# Altium PCB 1166V30.PcbDoc (part 2 of 6) (continued)
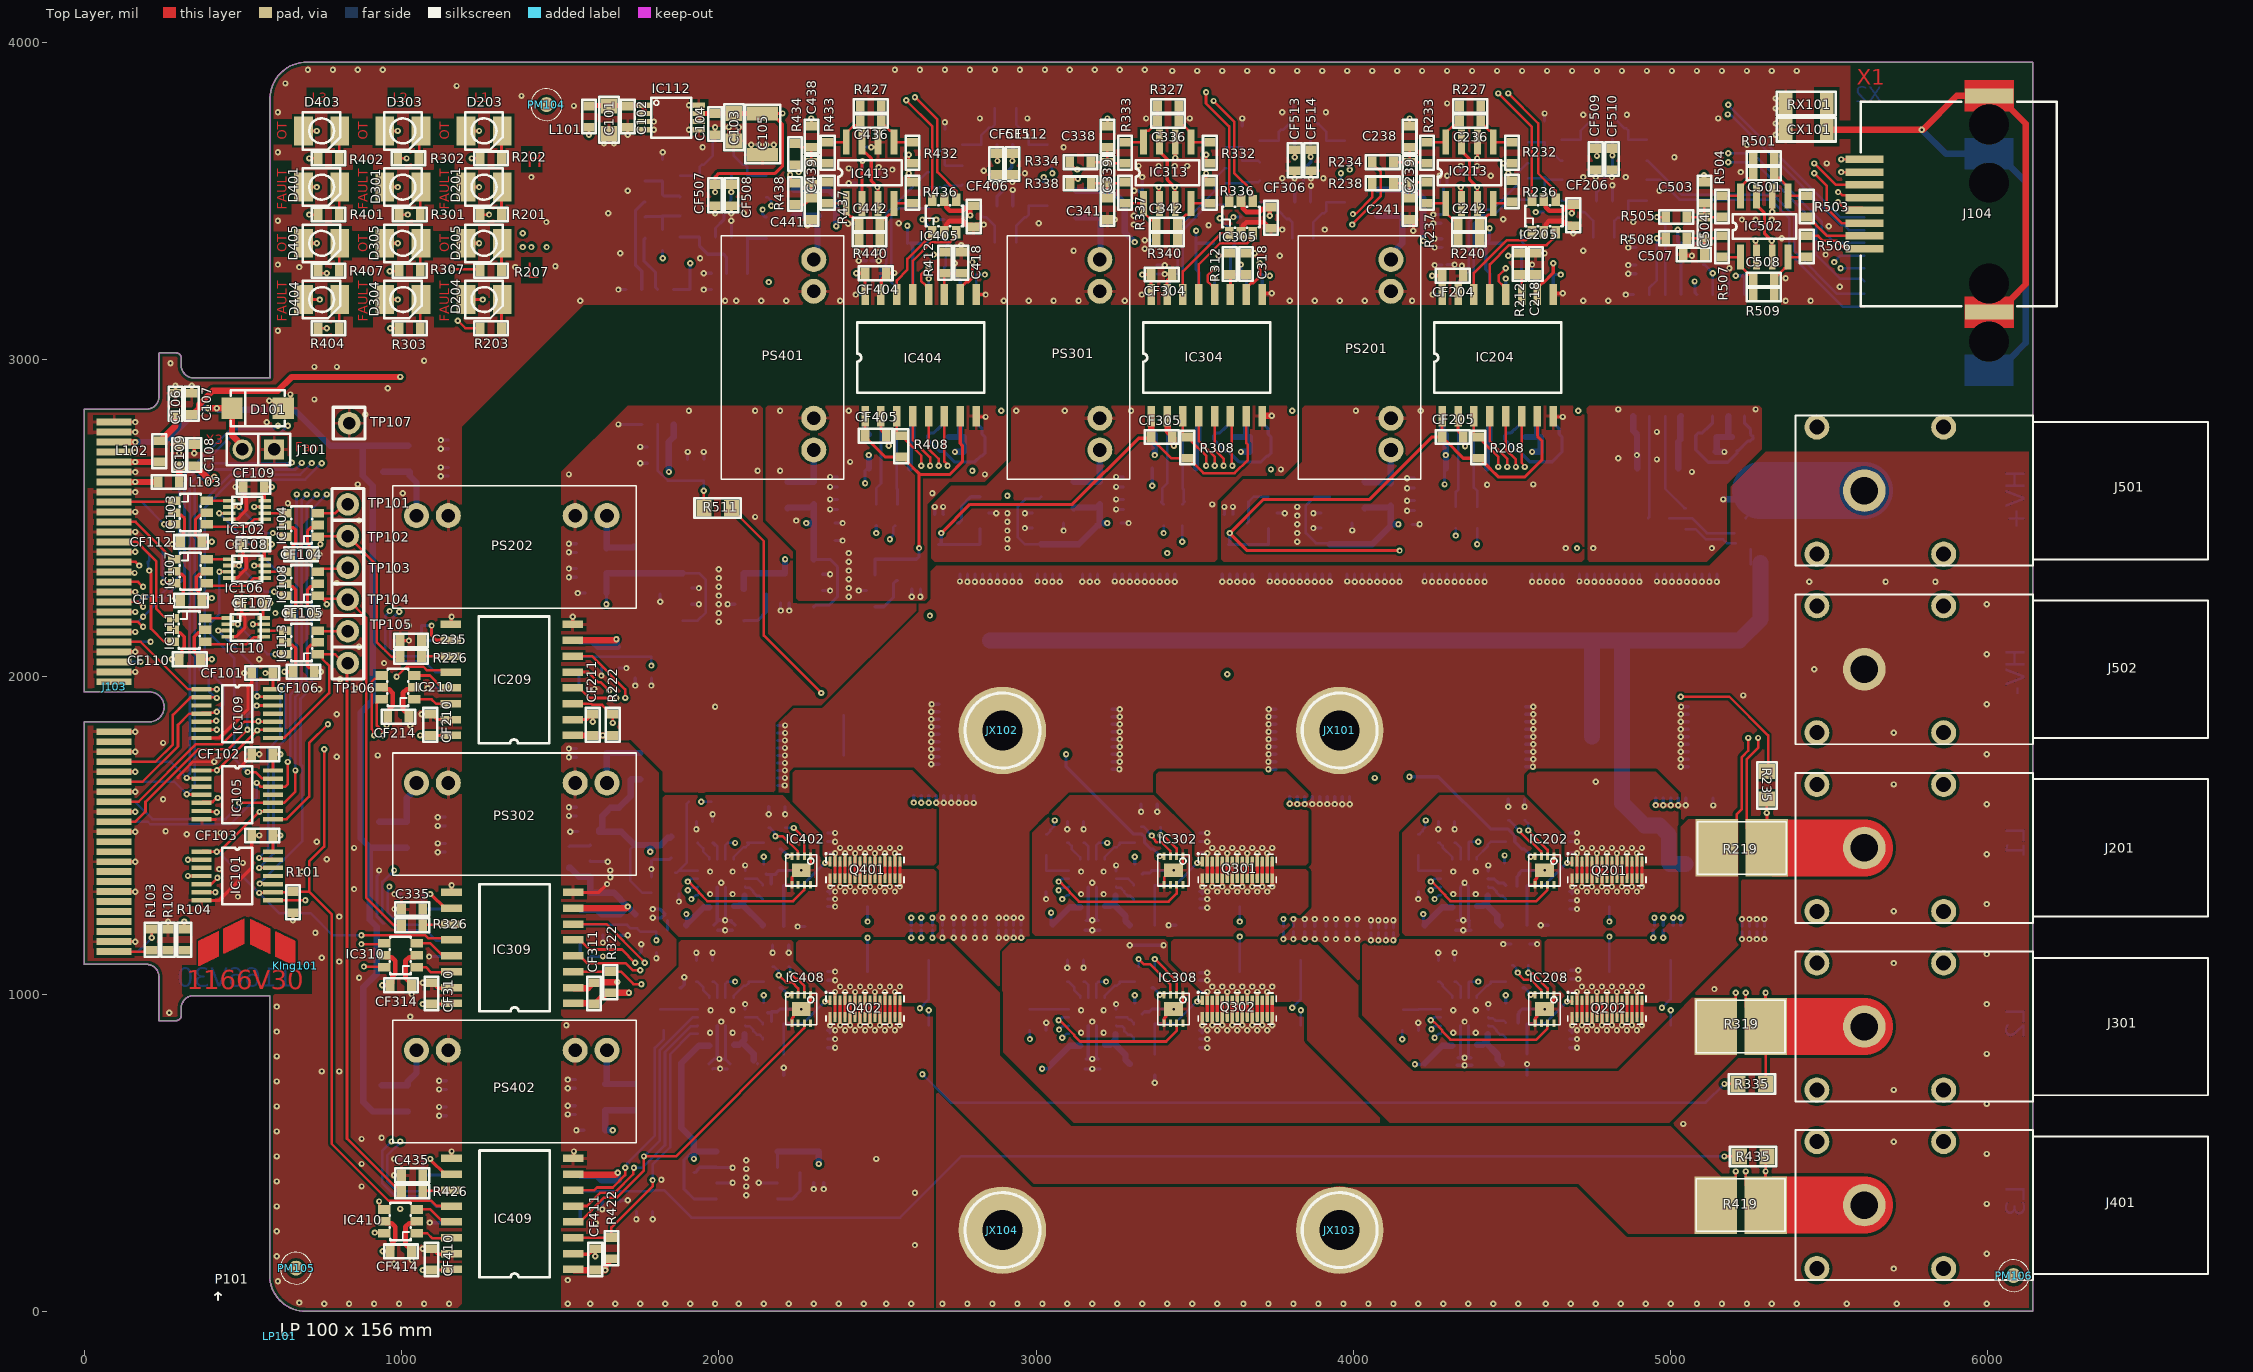
[diagram p0: Top Layer view]
## Nets (pads, with @x,y where several pads share a name; then routed paths per layer and width w, separated by ;. In a path a pad name is that pad's centre, name@x,y a point inside that pad or via, vN(x,y) a via of type N, cw(c..) or ccw(c..) an arc to the next point about the centre after c; other vN are vias at no path point) (continued)
  Layer 3 w10: v1(1716.54,1003.94) 1817.61,902.86 1817.61,743.27 1936.59,624.3 2920.38,624.3 3164.57,868.49 3164.57,892.89 3154.32,903.14 3154.32,929.11 3177.17,951.95 3177.17,1062.99 3196.85,1082.68 3305.04,1082.68 v1(3389.76,997.95)
  Layer 4 w20: v1(1712.6,1275.59) 1685.04,1248.03 1685.04,1122.05 1707.63,1099.45 1707.63,1012.84 v1(1716.54,1003.94)
  Bottom Layer w10: C331.1@3366.14,1019.68 3370.08,1019.68 3389.76,1000 v1(3389.76,997.95)
  Bottom Layer w20: C330.1@1527.56,1397.64 1531.5,1397.64 1559.41,1369.72 1593.66,1369.72 IC307.2@1594.49,1368.9 IC307.1@1594.49,1318.9 1669.29,1318.9 v1(1712.6,1275.59) ; IC312.1@1562.99,1267.72 1564.8,1265.91 1615.98,1265.91 1629.92,1251.97 CF317.1@1633.86,1251.97 CF318.1@1685.04,1251.97 1688.98,1251.97 v1(1712.6,1275.59) ; CF308.1@1736.22,1251.97 v1(1712.6,1275.59)
3P12V: C328.1 C329.1 C332.2 CF307.1 IC307.5 IC307.8 IC311.16 L304.2 | length 2966.6
  Layer 3 w10: v1(1783.46,1448.82) 1685.04,1350.39 1685.04,1067.74 1739.38,1013.4 1739.38,1006.55 1835.61,910.31 1835.61,750.73 1944.05,642.3 2896.6,642.3 v1(3018.88,764.58)
  Bottom Layer w8: 1735,1469.72 1720.47,1455.2 1720.47,1357.28 1758.86,1318.9 IC307.8@1787.4,1318.9
  Bottom Layer w10: v1(3018.88,764.58) 3040.17,764.58 C332.2@3055.12,779.53
  Bottom Layer w20: L304.2@1751.97,1677.17 1724.41,1677.17 1722.6,1675.35 1722.6,1624.17 1685.04,1586.61 1657.48,1586.61 CF307.1@1645.67,1574.8 1632.05,1561.18 1632.05,1525.75 1622.05,1515.75 C328.1@1622.05,1511.81 1692.91,1511.81 1735,1469.72 1786.57,1469.72 IC307.5@1787.4,1468.9 ; v1(1783.46,1448.82) 1783.46,1468.07 1784.29,1468.9 IC307.5@1787.4,1468.9 ; C329.1@1850.39,1496.06 1846.61,1492.28 1839.33,1492.28 1815.94,1468.9 IC307.5@1787.4,1468.9 ; C332.2@3051.18,781.5 3106.46,836.77 IC311.16@3138.78,836.77
3V3: C108.2 C109.2 C213.1 C214.1 C238.2 C313.1 C314.1 C338.2 C413.1 C414.1 C438.2 C503.2 C505.1 C506.1 C516.2 C529.2 C534.2 C539.2 CF101.2 CF102.2 CF103.2 CF104.1 CF105.1 CF106.1 CF107.1 CF108.1 CF109.1 CF110.1 CF111.1 CF112.1 CF204.1 CF206.1 CF210.1 CF214.1 CF215.1 CF216.1 CF304.1 CF306.1 CF310.1 CF314.1 CF315.1 CF316.1 CF404.1 CF406.1 CF410.1 CF414.1 CF415.1 CF416.1 CF503.1 CF504.1 D201.1 D203.1 D204.1 D205.1 D301.1 D303.1 D304.1 D305.1 D401.1 D403.1 D404.1 D405.1 IC101.14 IC102.8 IC103.5 IC104.5 IC105.14 IC106.8 IC107.5 IC108.5 IC109.14 IC110.8 IC111.5 IC113.5 IC203.12 IC204.10 IC204.16 IC205.5 IC209.10 IC209.16 IC210.5 IC212.8 IC303.12 IC304.10 IC304.16 IC305.5 IC309.10 IC309.16 IC310.5 IC312.8 IC403.12 IC404.10 IC404.16 IC405.5 IC409.10 IC409.16 IC410.5 IC412.8 IC501.12 IC503.8 L101.1 L103.2 R104.1 R204.2 R304.2 R403.2 R502.2 | length 5992.2
  Top Layer w10: R104.1@314.96,1204.72 v1(314.96,1228.35) ; CF110.1@366.14,2059.06 346.46,2078.74 346.46,2126.35 359.14,2139.04 373.03,2139.04 IC111.5@381.53,2147.54 ; CF111.1@370.08,2240.16 361.3,2248.94 361.3,2267.86 352.96,2276.19 352.96,2313.96 363.08,2324.08 376.96,2324.08 IC107.5@385.46,2332.58 ; CF110.1@374.02,2055.12 v1(401.57,2055.12) ; CF112.1@374.02,2425.2 350.39,2448.82 350.39,2496.43 363.08,2509.12 376.96,2509.12 IC103.5@385.46,2517.62 ; CF111.1@377.95,2248.03 v1(401.57,2248.03) ; CF112.1@381.89,2425.2 v1(401.57,2425.2) ; IC110.8@564.96,2185.04 563.9,2185.04 562.99,2185.94 CF107.1@562.99,2232.28 v1(586.61,2232.28) ; IC106.8@568.9,2370.08 567.83,2370.08 566.93,2370.98 CF108.1@566.93,2417.32 v1(590.55,2417.32) ; IC102.8@568.9,2555.12 567.83,2555.12 566.93,2556.02 CF109.1@566.93,2598.43 v1(590.55,2598.43) ; v1(570.87,2011.81) CF101.2@594.49,2011.81 IC109.14@594.49,1960.63 ; IC101.14@594.49,1448.82 CF103.2@594.49,1500 v1(618.11,1500) ; IC105.14@594.49,1704.72 CF102.2@594.49,1755.91 v1(618.11,1755.91) ; v1(625.98,2385.83) CF104.1@649.61,2385.83 658.39,2394.61 658.39,2413.89 666.36,2421.86 666.36,2462.89 659.5,2469.75 642.36,2469.75 IC104.5@633.86,2478.25 ; v1(630.05,2200.79) CF105.1@653.54,2200.79 662.32,2209.57 662.32,2221.38 666.36,2225.41 666.36,2274.59 656.24,2284.71 642.36,2284.71 IC108.5@633.86,2293.21 ; v1(630.94,2015.75) CF106.1@657.48,2015.75 665.35,2023.62 665.35,2039.37 666.36,2040.37 666.36,2089.55 656.24,2099.67 642.36,2099.67 IC113.5@633.86,2108.17 ; D404.1@690.94,3188.98 v1@734.44,3188.98 ; D405.1@690.94,3366.14 v1(732.28,3366.14) ; D401.1@690.94,3543.31 v1(732.28,3543.31) ; D403.1@690.94,3720.47 v1(732.28,3720.47) ; D304.1@946.85,3188.98 v1(988.19,3188.98) ; D305.1@946.85,3366.14 v1(988.19,3366.14) ; D301.1@946.85,3543.31 v1(988.19,3543.31) ; D303.1@946.85,3720.47 v1(988.19,3720.47) ; v1(1059.06,1814.96) CF210.1@1090.55,1814.96 IC209.16@1155.51,1814.96 ; v1(1066.93,129.92) CF410.1@1094.49,129.92 IC409.16@1159.45,129.92 ; v1(1066.93,968.5) CF310.1@1094.49,968.5 IC309.16@1159.45,968.5 ; v1(1090.55,480.31) 1090.55,478.15 1138.78,429.92 IC409.10@1159.45,429.92 ; v1(1090.55,1314.96) 1092.32,1314.96 1138.78,1268.5 IC309.10@1159.45,1268.5 ; v1(1094.49,2161.42) 1094.49,2129.92 1109.45,2114.96 IC209.10@1155.51,2114.96 ; D204.1@1202.76,3188.98 v1(1255.91,3188.98) ; D205.1@1202.76,3366.14 v1(1244.09,3366.14) ; D201.1@1202.76,3543.31 v1(1244.09,3543.31) ; D203.1@1202.76,3720.47 v1(1244.09,3720.47) ; v1(1590.55,3708.66) L101.1@1590.55,3732.28 ; v1(2291.34,3759.84) 2291.73,3759.45 C438.2@2291.73,3736.22 ; v1(2432.95,3271.65) CF404.1@2460.63,3271.65 2460.83,3271.46 2460.83,3204.92 IC404.16@2461.02,3204.72 ; IC404.10@2761.02,3204.72 2761.02,3225.39 2780.5,3244.87 2786.88,3244.87 2799.21,3257.21 v1(2799.21,3307.09) ; C338.2@3224.8,3736.22 v1(3224.8,3759.84) ; v1(3334.52,3267.72) CF304.1@3362.2,3267.72 3362.4,3267.52 3362.4,3204.92 IC304.16@3362.6,3204.72 ; IC304.10@3662.6,3204.72 3662.6,3225.39 3678.14,3240.94 3684.52,3240.94 3704.72,3261.14 v1(3704.72,3303.28) ; C238.2@4177.17,3736.22 v1(4177.17,3759.84) ; v1(4247.91,3263.78) CF204.1@4279.53,3263.78 4279.72,3263.58 4279.72,3204.92 IC204.16@4279.92,3204.72 ; IC204.10@4579.92,3204.72 4579.92,3225.39 4595.46,3240.94 4597.9,3240.94 4629.92,3272.95 v1(4629.92,3303.28) ; v1(5022.1,3408.79) v1@5022.1,3410.97 ; v1(5104.63,3581.01) 5104.63,3560.72 C503.2@5106.3,3559.06
  Top Layer w15: IC210.5@937.37,1966.44 943.37,1960.44 960.79,1960.44 972.44,1948.79 972.44,1909.09 962.97,1899.62 962.97,1880.3 CF214.1@956.69,1874.02 ; v1(939.42,1027.56) CF314.1@964.57,1027.56 970.85,1033.84 970.85,1055.23 980.31,1064.7 980.31,1104.4 968.66,1116.05 951.24,1116.05 IC310.5@945.24,1122.05 ; v1(940.94,188.98) CF414.1@964.57,188.98 970.85,195.26 970.85,216.65 980.31,226.12 980.31,265.81 968.66,277.46 951.24,277.46 IC410.5@945.24,283.46 ; v1(952.76,1846.46) CF214.1@952.76,1874.02 ; IC405.5@2710.53,3503.57 2716.53,3497.57 2716.53,3480.15 2728.18,3468.5 2767.88,3468.5 2777.35,3477.97 CF406.1@2792.93,3477.97 ; v1(2792.46,3454.07) 2791.57,3454.97 2791.57,3456.47 2791.34,3456.69 2791.34,3472.44 2792.93,3474.04 CF406.1@2792.93,3477.97 ; CF406.1@2803.15,3484.25 2799.21,3484.25 CF406.1@2792.93,3477.97 ; IC305.5@3645.67,3499.64 3651.67,3493.64 3651.67,3476.22 3663.25,3464.64 3703.09,3464.64 3712.49,3474.04 3733.88,3474.04 CF306.1@3736.22,3476.38 ; v1(3736.22,3452.83) CF306.1@3736.22,3476.38 ; CF306.1@3740.16,3480.31 CF306.1@3736.22,3476.38 ; IC205.5@4600.3,3503.57 4606.3,3497.57 4606.3,3480.15 4617.88,3468.57 4657.72,3468.57 4668.04,3478.9 4692.91,3478.9 4690.3,3476.29 4690.3,3464.33 4687.87,3461.9 v1(4687.87,3460.63)
  Top Layer w20: L103.2@299.21,2614.17 C109.2@299.21,2665.35 C108.2@346.46,2665.35 350.39,2665.35 389.76,2625.98 ; v1@397.64,2618.11 v1(409.45,2629.92)
  Bottom Layer w10: v1(1090.55,480.31) CF215.1@1066.93,480.31 CF216.1@1066.93,429.13 IC412.8@1137.8,429.13 ; v1(1090.55,1314.96) CF315.1@1066.93,1314.96 CF316.1@1066.93,1263.78 1070.87,1267.72 IC312.8@1137.8,1267.72 ; v1(1094.49,2161.42) CF415.1@1062.99,2161.42 CF416.1@1062.99,2114.17 IC212.8@1133.86,2114.17 ; v1(1822.83,3318.9) C516.2@1822.83,3342.52 ; IC503.8@1857.09,3220.47 CF504.1@1909.45,3220.47 CF503.1@1909.45,3271.65 v1(1909.45,3303.15) ; C413.1@2594.49,3366.14 v1(2594.49,3421.26) ; IC403.12@2611.02,3204.72 2611.02,3357.48 C413.1@2602.36,3366.14 R403.2@2657.48,3366.14 ; v1(2685.32,3440.94) C534.2@2708.66,3440.94 ; v1@3503.94,3409.45 C313.1@3503.94,3366.14 ; IC303.12@3512.6,3204.72 3512.6,3274.8 C314.1@3503.94,3283.46 C313.1@3503.94,3366.14 ; R304.2@3559.06,3366.14 C313.1@3503.94,3366.14 ; v1(3622.05,3448.82) C539.2@3645.67,3448.82 ; v1(4429.26,3413.39) 4429.26,3378.08 C213.1@4417.32,3366.14 ; IC203.12@4429.92,3204.72 4429.92,3270.87 C214.1@4417.32,3283.46 C213.1@4417.32,3366.14 ; R204.2@4472.44,3366.14 C213.1@4417.32,3366.14 ; v1(4574.8,3464.57) C529.2@4598.43,3464.57 ; v1(5022.1,3408.79) 5022.1,3371.6 C505.1@5027.56,3366.14 ; IC501.12@5032.28,3204.72 5032.28,3361.42 C505.1@5027.56,3366.14 ; R502.2@5102.36,3366.14 C505.1@5027.56,3366.14
  other v1: 393.7,2614.17 741.94,3188.98 3503.94,3405.51
4P5V: C310.1 C311.1 CF302.1 CF305.2 IC301.1 IC301.2 IC302.4 IC304.1 IC304.7 R308.1 | length 3055.3
  Top Layer w8: CF305.2@3362.2,2755.91 3362.2,2751.97 3425.2,2688.98 R308.1@3476.38,2688.98 3480.32,2688.98 3527.56,2641.73 3625.88,2641.73 3667.51,2683.36 3667.51,2731.21 3662.6,2736.12 IC304.7@3662.6,2820.87
  Top Layer w10: v1(2700.79,2452.76) 2791.34,2543.31 3114.17,2543.31 3322.83,2751.97 CF305.2@3362.2,2751.97
  Top Layer w20: CF305.2@3362.2,2755.91 3362.4,2756.1 3362.4,2820.67 IC304.1@3362.6,2820.87
  Layer 3 w10: v1(2700.79,2452.76) 2795.28,2452.76 2866.14,2381.89 3027.56,2381.89 3100.11,2309.34 3100.11,1771.65 3096.34,1767.88 3096.34,1757.76 v1(3094.49,1755.91)
  Bottom Layer w10: CF302.1@2692.91,2417.32 CF302.1@2700.79,2417.32 ; v1(2700.79,2452.76) CF302.1@2700.79,2417.32 ; IC301.2@2822.83,2467.32 IC301.1@2822.83,2417.32 C310.1@2751.97,2417.32 CF302.1@2700.79,2417.32 ; v1(3094.49,1755.91) 3094.49,1716.54 3307.09,1503.94 3333.35,1503.94 3341.74,1495.54 3341.74,1477.16 3362.2,1456.69 C311.1@3366.14,1456.69 3370.08,1456.69 3389.76,1437.01 v1(3389.76,1434.96)
4P12V: C308.1 C309.1 C315.2 CF301.1 IC301.5 IC301.8 IC306.16 L302.2 | length 2171
  Layer 3 w10: v1(3047.24,1255.91) 3028.3,1274.85 3020.42,1274.85 2972.44,1322.83 2972.44,1601.55 3118.11,1747.22 3118.11,2377.95 v1(3224.41,2484.25)
  Bottom Layer w8: IC301.8@3015.75,2417.32 2964.57,2417.32 2942.72,2439.17 2942.72,2537.21 2966.01,2560.5 3008.92,2560.5 IC301.5@3015.75,2567.32
  Bottom Layer w10: v1(3047.24,1255.91) 3047.24,1224.41 3052.17,1219.49 C315.2@3055.12,1216.54
  Bottom Layer w20: IC301.8@3015.75,2417.32 C309.1@3086.61,2417.32 3133.86,2417.32 3193.07,2476.54 3197.01,2476.54 3200.79,2480.31 C308.1@3200.79,2484.25 ; C315.2@3052.17,1219.49 3106.46,1273.78 IC306.16@3138.78,1273.78 ; L302.2@3118.11,2531.5 3119.92,2533.31 3190.79,2533.31 CF301.1@3200.79,2543.31 C308.1@3200.79,2484.25 ; v1(3224.41,2484.25) C308.1@3200.79,2484.25
5P5V: C430.1 C431.1 CF408.1 CF411.2 CF417.1 CF418.1 IC407.1 IC407.2 IC408.4 IC409.1 IC409.7 IC412.1 R422.1 | length 2291.1
  Top Layer w10: v1(2216.54,997.95) 2230.24,997.95 IC408.4@2230.32,998.03 IC408.4@2230.32,999.92
  Top Layer w20: IC409.1@1543.31,129.92 CF411.2@1610.24,129.92 v1(1641.73,129.92) 1641.73,145.67 1653.7,157.64 1653.7,161.57 1657.48,165.35 R422.1@1661.42,165.35 ; IC409.7@1543.31,429.92 1674.02,429.92 v1(1681.1,437.01)
  Layer 1 w10: v1(2216.54,997.95) 2216.54,929.13 2248.03,897.64 2248.03,531.5 v1(2314.96,464.57)
  Layer 3 w20: v1(1641.73,129.92) 1681.1,169.29 1681.1,326.77 ; v1(1681.1,437.01) 1681.1,326.77 ; v1(2314.96,464.57) 2168.72,318.33 1689.54,318.33 1681.1,326.77
  Bottom Layer w10: IC407.2@2185.04,453.94 IC407.1@2185.04,503.94 ; C431.1@2192.91,1019.68 2196.85,1019.68 2216.54,1000 v1(2216.54,997.95)
  Bottom Layer w20: IC412.1@1564.8,427.32 1615.98,427.32 CF417.1@1629.92,413.39 ; CF417.1@1633.86,413.39 CF418.1@1685.04,413.39 ; CF418.1@1681.57,416.85 v1@1681.57,436.54 ; IC407.1@2185.04,503.94 C430.1@2255.91,503.94 CF408.1@2314.96,503.94 v1(2314.96,464.57)
5P12V: C428.1 C429.1 C432.2 CF407.1 IC407.5 IC407.8 IC411.16 L404.2 | length 1222.4
  Layer 3 w20: v1(1665.35,570.87) 1790.31,570.87 1880.86,480.31 v1(1921.26,480.31)
  Bottom Layer w10: C432.2@1881.89,779.53 C432.2@1881.89,781.5 ; C429.1@1921.26,503.94 1917.32,503.94 1889.76,476.38 1889.76,385.83 1921.65,353.94 IC407.5@1992.13,353.94
  Bottom Layer w20: v1(1665.35,570.87) C428.1@1641.73,570.87 CF407.1@1641.73,633.86 L404.2@1732.28,633.86 ; C432.2@1881.89,777.56 1881.89,781.5 1937.17,836.77 IC411.16@1969.49,836.77 ; C432.2@1881.89,779.53 1881.89,578.74 1921.26,539.37 C429.1@1921.26,503.94 ; v1(1921.26,480.31) C429.1@1921.26,503.94 ; IC407.8@1992.13,503.94 C429.1@1921.26,503.94
5V: C106.2 C107.2 CF213.1 CF313.1 CF413.1 CF502.1 CF508.1 CF510.1 CF512.1 CF514.1 IC213.3 IC213.7 IC313.3 IC313.7 IC413.3 IC413.7 IC502.3 IC502.7 IC504.3 IC504.7 IC505.3 IC505.7 IC506.3 IC506.7 IC507.3 IC507.7 L102.2 | length 7980.8
  Top Layer w10: v1(2039.37,3527.56) CF508.1@2039.37,3551.18 ; IC413.7@2451.57,3685.04 2451.57,3656.5 2457.4,3650.67 2463.5,3650.67 2480.32,3633.86 2480.32,3562.99 v1(2500,3543.31) 2501.57,3541.73 IC413.3@2501.57,3492.13 ; v1(2925.2,3625.98) CF512.1@2925.2,3649.61 ; IC313.7@3388.58,3685.04 3388.58,3656.5 3413.39,3631.69 3413.39,3566.93 v1(3437.01,3543.31) 3437.8,3542.52 3437.8,3517.72 3438.58,3516.93 IC313.3@3438.58,3492.13 ; v1(3864.96,3638.98) CF514.1@3864.96,3662.6 ; IC213.7@4340.94,3685.04 4340.94,3656.5 4366.14,3631.3 4366.14,3566.93 v1(4389.76,3543.31) 4390.94,3542.13 IC213.3@4390.94,3492.13 ; IC502.7@5270.08,3515.75 5270.08,3487.2 5295.28,3462.01 5295.28,3397.64 v1(5318.9,3374.02) 5319.49,3373.43 5319.49,3323.43 IC502.3@5320.08,3322.83
  Top Layer w20: L102.2@236.22,2744.09 240.16,2744.09 287.4,2791.34 C106.2@287.4,2826.77 C107.2@338.58,2826.77 342.52,2826.77 361.76,2846.02 361.76,2858.05 405.28,2901.57 610.24,2901.57 653.54,2944.88 v1(996.06,2944.88)
  Layer 4 w10: 2901.57,3503.94 2901.57,3570.87 2925.2,3594.49 v1(2925.2,3625.98) ; 3433.07,3496.06 3437.01,3500 v1(3437.01,3543.31) ; 3842.52,3503.94 3842.52,3586.61 3864.96,3609.06 v1(3864.96,3638.98) ; v1(4389.76,3543.31) 4389.76,3500 4393.7,3496.06 ; 4791.34,3496.06 4791.34,3586.61 4816.54,3611.81 v1(4816.54,3643.31)
  Layer 4 w20: v1(996.06,2944.88) 1094.49,2944.88 1649.61,3500 2011.81,3500 v1(2039.37,3527.56) 2484.25,3527.56 v1(2500,3543.31) 2547.24,3496.06 3433.07,3496.06 4393.7,3496.06 4791.34,3496.06 5027.56,3496.06 5196.85,3326.77 5295.28,3326.77 5318.9,3350.39 v1(5318.9,3374.02)
  Bottom Layer w10: IC504.7@1989.37,3385.83 1989.37,3414.37 2015.75,3440.75 2015.75,3480.31 2038.15,3502.72 2038.15,3526.34 v1(2039.37,3527.56) IC504.3@2039.37,3578.74 ; v1(2500,3543.31) 2500,3519.69 CF413.1@2503.94,3515.75 ; IC506.7@2876.38,3484.25 2876.38,3512.8 2901.57,3537.99 2901.57,3583.62 2923.34,3605.39 2923.34,3624.13 v1(2925.2,3625.98) 2926.38,3627.17 IC506.3@2926.38,3677.17 ; CF313.1@3437.01,3519.69 v1(3437.01,3543.31) ; IC507.7@3814.96,3496.06 3814.96,3524.61 3842.52,3552.17 3842.52,3598.43 3843.15,3598.43 3865.86,3621.13 3865.86,3638.07 v1(3864.96,3638.98) IC507.3@3864.96,3688.98 ; CF213.1@4389.76,3519.69 v1(4389.76,3543.31) ; IC505.7@4766.54,3500 4766.54,3528.54 4791.34,3553.35 4791.34,3586.61 4816.54,3611.81 v1(4816.54,3643.31) IC505.3@4816.54,3692.91 ; CF502.1@5318.9,3350.39 v1(5318.9,3374.02)
6P5V: C410.1 C411.1 CF402.1 CF405.2 IC401.1 IC401.2 IC402.4 IC404.1 IC404.7 R408.1 | length 2229.7
  Top Layer w10: v1(2216.54,1434.96) 2230.24,1434.96 IC402.4@2230.32,1435.04 IC402.4@2230.32,1436.93 ; IC404.1@2461.02,2820.87 2460.83,2820.67 2460.83,2760.04 CF405.2@2460.63,2759.84 2460.63,2755.91 2523.62,2692.91 R408.1@2574.8,2692.91 2578.74,2692.91 2610.35,2661.31 2610.35,2660.62 2631.06,2639.92 ; v1(2631.06,2405.51) 2631.06,2639.92 ; IC404.7@2761.02,2820.87 2761.02,2735.04 2767.72,2728.35 2767.72,2677.17 2728.35,2637.8 2633.18,2637.8 2631.06,2639.92
  Layer 3 w10: v1(2216.54,1434.96) 2275.59,1494.02 2275.59,1961.21 2631.06,2316.67 v1(2631.06,2405.51)
  Bottom Layer w10: C411.1@2192.91,1456.69 2196.85,1456.69 2216.54,1437.01 v1(2216.54,1434.96) ; IC401.2@2492.13,2320.47 IC401.1@2492.13,2370.47 2621.65,2370.47 CF402.1@2622.05,2370.08 2631.06,2379.09 v1(2631.06,2405.51)
6P12V: C408.1 C409.1 C415.2 CF401.1 IC401.5 IC401.8 IC406.16 L402.2 | length 2108.5
  Layer 2 w10: v1@1895.02,1251.97 v1(1897.64,1251.97)
  Layer 3 w10: v1@1895.02,1251.97 1879.02,1267.96 1865.09,1267.96 1851.17,1281.88 1851.17,1300.8 1858.27,1307.89 1858.27,1659.85 2275.59,2077.17 v1(2275.59,2484.25)
  Bottom Layer w10: C415.2@1897.64,1228.35 v1(1897.64,1251.97) ; CF401.1@2293.31,2537.4 CF401.1@2299.21,2543.31 ; IC401.5@2299.21,2220.47 2305.04,2226.3 2348.35,2226.3 2374.02,2251.97 2374.02,2346.46 2350.39,2370.08 2299.61,2370.08 IC401.8@2299.21,2370.47
  Bottom Layer w20: C415.2@1897.64,1216.54 1897.64,1218.5 1952.91,1273.78 IC406.16@1969.49,1273.78 ; L402.2@2216.54,2531.5 2218.35,2533.31 2289.21,2533.31 CF401.1@2293.31,2537.4 ; v1(2275.59,2484.25) C408.1@2299.21,2484.25 ; IC401.8@2299.21,2370.47 C409.1@2299.21,2429.13 C408.1@2299.21,2484.25 ; CF401.1@2299.21,2543.31 C408.1@2299.21,2484.25
FE: CX101.1 J102.S J104.S RX101.1 | length 2553.7
  Top Layer w20: RX101.1@5492.13,3807.09 CX101.1@5492.13,3724.41 v1(5791.34,3724.41) 5795.28,3724.41 5901.97,3831.1 J104.S@6003.94,3831.1 6056.89,3831.1 6070.51,3817.48 6070.51,3791.89 6119.13,3743.27 6119.13,3237.04 6070.87,3188.78 ; J104.S@6003.94,3149.21 J104.S@6003.94,3240.16
  Bottom Layer w20: v1(5791.34,3724.41) 5867.72,3648.03 J102.S@6002.95,3648.03 ; J102.S@6002.95,3557.09 J102.S@6002.95,3648.03 ; 6066.93,3000 6119.13,3052.2 6119.13,3559.22 6069.53,3608.82 6069.53,3634.41 6055.91,3648.03 J102.S@6002.95,3648.03
GaN_H1_FAULT: IC101.12 IC205.6 J103.50 R201.2 | length 7366.1
  Top Layer w8: v1(551.18,1397.64) IC101.12@594.49,1397.64 ; R201.2@1248.03,3456.69 v1(1275.59,3456.69) ; v1(4456.69,3838.58) 4562.8,3732.48 IC205.6@4562.8,3503.57
  Layer 2 w8: v1(177.17,2047.24) 193.91,2047.24 342.27,1898.88 342.27,1750.23 347.43,1745.07 466.35,1626.15 466.35,1482.47 v1(551.18,1397.64) ; v1(669.29,2574.8) 692.91,2551.18 771.5,2551.18 851.91,2631.58 851.91,2677.72 1299.72,3125.54 1299.72,3432.57 v1(1275.59,3456.69) 1275.59,3666.35 1432.75,3823.51 2452.12,3823.51 2528.73,3746.9 2641.56,3746.9 2689.17,3794.52 3485.01,3794.52 3502.41,3777.12 3587.15,3777.12 3656.23,3846.2 4448.82,3846.2 4456.44,3838.58 v1(4456.69,3838.58)
  Bottom Layer w8: J103.50@93.96,2047.07 176.99,2047.07 v1(177.17,2047.24) ; v1(551.18,1397.64) 596.27,1442.72 596.27,1765.56 633.35,1802.65 633.35,1950.26 668.79,1985.7 668.79,2574.3 v1(669.29,2574.8)
GaN_H1_OT: IC101.10 IC205.4 J103.46 R202.2 | length 7595.4
  Top Layer w8: v1(552.85,1348.12) 553.68,1347.29 593.66,1347.29 IC101.10@594.49,1346.46 ; v1(1220.47,3633.86) R202.2@1248.03,3633.86 ; v1(4488.19,3838.58) 4582.68,3744.09 4582.68,3586.61 4637.8,3531.5 IC205.4@4637.8,3503.57
  Layer 2 w8: v1(208.66,2110.24) 208.66,2055.12 358.27,1905.51 358.27,1814.96 431.29,1741.94 431.29,1726.27 594.49,1563.07 594.49,1389.76 v1(552.85,1348.12) ; v1(763.78,2574.8) 766.94,2574.8 777.74,2585.61 783.3,2585.61 835.91,2638.21 835.91,2684.35 1283.72,3132.16 1283.72,3417.07 1220.47,3480.31 v1(1220.47,3633.86) 1426.12,3839.51 2458.75,3839.51 2535.36,3762.9 2634.93,3762.9 2682.55,3810.52 3491.64,3810.52 3509.04,3793.12 3580.52,3793.12 3649.61,3862.2 4464.57,3862.2 v1(4488.19,3838.58)
  Bottom Layer w8: J103.46@93.96,2110.06 94.04,2110.15 208.57,2110.15 v1(208.66,2110.24) ; v1(552.85,1348.12) 687.2,1482.47 687.2,1718.31 681.35,1724.16 681.35,1930.38 716.79,1965.81 716.79,2527.81 v1(763.78,2574.8)
GaN_H1_Temp: J103.30
GaN_H2_FAULT: IC105.12 IC305.6 J103.74 R301.2 | length 6077.6
  Top Layer w8: v1(543.31,1665.35) 555.12,1653.54 IC105.12@594.49,1653.54 633.86,1653.54 641.73,1661.42 v1@641.73,1728.35 ; R301.2@992.13,3456.69 v1(1019.69,3456.69) ; v1(3535.43,3842.52) 3535.43,3807.09 3608.17,3734.35 IC305.6@3608.17,3499.64
  Layer 2 w8: v1(700.79,2574.8) 743.59,2617.61 770.05,2617.61 803.91,2651.47 803.91,2697.61 1216.54,3110.24 1216.54,3291.34 1051.18,3456.69 v1(1019.69,3456.69) 1019.69,3598.43 990.16,3627.95 990.16,3643.7 1217.96,3871.51 2472.01,3871.51 2548.49,3795.02 2566.93,3795.02 ; 2566.93,3794.9 2621.68,3794.9 2669.29,3842.52 v1(3535.43,3842.52)
  Bottom Layer w8: J103.74@93.96,1543.13 199.94,1543.13 207.89,1535.18 460.38,1535.18 543.31,1618.11 v1(543.31,1665.35) ; v1(641.02,1731.57) 641.02,1734.73 649.35,1743.07 649.35,1943.64 684.79,1979.07 684.79,2557.81 700.79,2573.81 v1(700.79,2574.8)
GaN_H2_OT: IC105.10 IC305.4 J103.70 R302.2 | length 6053
  Top Layer w8: v1(488.19,1602.36) IC105.10@594.49,1602.36 629.92,1602.36 665.35,1637.8 v1(665.35,1704.72) ; R302.2@988.19,3633.86 v1(1015.75,3633.86) ; v1(3559.06,3814.96) 3624.17,3749.85 3624.17,3588.43 3683.17,3529.43 IC305.4@3683.17,3499.64
  Layer 2 w8: v1(732.28,2574.8) 759.09,2601.61 776.67,2601.61 819.91,2644.84 819.91,2690.98 1232.54,3103.61 1232.54,3297.97 1035.69,3494.82 1035.69,3613.92 v1(1015.75,3633.86) 1237.4,3855.51 2465.38,3855.51 2541.98,3778.9 2628.3,3778.9 2675.92,3826.52 3498.26,3826.52 3509.82,3814.96 v1(3559.06,3814.96)
  Bottom Layer w8: J103.70@94.95,1605.13 J103.70@93.96,1606.12 159.57,1606.12 214.51,1551.18 445.27,1551.18 485.95,1591.86 485.95,1600.13 v1(488.19,1602.36) ; v1(665.35,1704.72) 665.35,1937.01 700.79,1972.44 700.79,2543.31 v1(732.28,2574.8)
GaN_H2_Temp: J103.54
GaN_H3_FAULT: IC109.12 IC405.6 J103.73 R401.2 | length 5056.8
  Top Layer w8: J103.73@93.96,1543.13 161.24,1543.13 192.91,1574.8 192.91,1605.54 358.77,1771.4 452.5,1771.4 v1(514.08,1832.98) ; v1(543.31,1909.32) 543.37,1909.39 594.42,1909.39 IC109.12@594.49,1909.45 ; v1(708.66,3456.69) R401.2@736.22,3456.69 ; v1(2590.55,3816.75) 2673.03,3734.27 IC405.6@2673.03,3503.57
  Layer 2 w8: v1(543.31,1909.32) 542.56,1910.07 521.53,1910.07 436.27,1995.33 415.85,2015.75 392.71,2015.75 366.39,2042.06 366.39,2622.3 429.39,2685.29 429.39,2747.31 576.2,2894.12 602.79,2894.12 649.86,2941.2 649.86,3397.89 v1(708.66,3456.69) 755.91,3503.94 755.91,3658.47 984.94,3887.51 2478.63,3887.51 2549.4,3816.75 v1(2590.55,3816.75)
  Bottom Layer w8: v1(514.08,1832.98) 514.08,1880.1 v1(543.31,1909.32)
GaN_H3_OT: IC109.10 IC405.4 J103.69 R402.2 | length 5098.5
  Top Layer w8: J103.69@93.96,1606.12 170.87,1606.12 352.15,1787.4 434.07,1787.4 504.93,1858.27 v1@550.57,1858.27 ; v1(548.91,1859.93) v1@550.57,1858.27 ; IC109.10@594.49,1858.27 v1@550.57,1858.27 ; v1(708.66,3633.86) R402.2@736.22,3633.86 ; v1(2618.11,3826.77) 2689.03,3755.85 2689.03,3590.5 2748.03,3531.5 IC405.4@2748.03,3503.57
  Layer 2 w8: v1(548.91,1859.93) 548.91,1860.06 412.91,1996.06 389.76,1996.06 350.39,2035.43 350.39,2628.93 413.39,2691.92 413.39,2753.94 569.57,2910.12 596.16,2910.12 633.86,2947.82 633.86,3417.32 708.66,3492.13 v1(708.66,3633.86) 978.31,3903.51 2485.26,3903.51 2550.18,3838.59 2603.13,3838.59 2614.95,3826.77 v1(2618.11,3826.77)
GaN_H3_Temp: J103.53
GaN_L1_FAULT: IC101.4 IC210.6 J103.42 R203.2 | length 4374.1
  Top Layer w8: v1@326.58,1371.86 v1(326.77,1372.05) IC101.4@370.08,1372.05 ; IC210.6@937.37,1928.94 934.7,1928.94 925.2,1919.44 921.87,1919.44 921.87,1846.15 940.94,1827.08 940.94,1815.09 v1(941.07,1814.96) ; v1(1177.17,3122.05) 1200.79,3098.43 R203.2@1248.03,3098.43
  Layer 2 w8: v1(641.73,2791.34) 703.57,2853.17 703.57,3264.22 757.99,3318.65 980.57,3318.65 v1(1177.17,3122.05)
  Layer 3 w8: v1(185.04,2188.98) 237.75,2136.27 237.75,2027.63 285.12,1980.26 285.12,1597.24 284.99,1597.11 284.99,1413.83 v1(326.77,1372.05) 326.77,1318.9 451.23,1194.44 678.69,1194.44 811.28,1327.02 811.28,1681.96 935.23,1805.91 ; 935.23,1805.96 941.07,1811.8 v1(941.07,1814.96)
  Bottom Layer w8: J103.42@94.04,2173.14 J103.42@93.96,2173.05 169.12,2173.05 v1(185.04,2188.98) 227.5,2231.43 235.37,2231.43 315.73,2311.8 315.73,2612.96 466.56,2763.78 614.17,2763.78 v1(641.73,2791.34)
GaN_L1_OT: IC101.2 IC210.4 J103.38 R207.2 | length 4372.5
  Top Layer w8: v1(326.77,1423.23) IC101.2@370.08,1423.23 ; v1(913.39,1814.96) 911.15,1817.2 911.15,1829.37 905.87,1834.65 905.87,1984.91 915.4,1994.44 927.87,1994.44 IC210.4@937.37,2003.94 ; v1(1157.48,3284.03) 1243.53,3284.03 R207.2@1248.03,3279.53
  Layer 2 w8: v1(610.24,2791.34) 687.57,2868.67 687.57,3270.85 751.36,3334.65 987.19,3334.65 1037.81,3284.03 v1(1157.48,3284.03)
  Layer 3 w8: v1(185.04,2251.97) 208.66,2228.35 208.66,2187.98 253.75,2142.9 253.75,2034.26 301.12,1986.89 301.12,1544.75 300.99,1544.63 300.99,1449.01 v1(326.77,1423.23) 348.61,1401.39 348.61,1319.68 457.86,1210.44 671.07,1210.44 795.28,1334.65 795.28,1696.85 v1(913.39,1814.96)
  Bottom Layer w8: J103.38@93.96,2236.04 169.11,2236.04 v1(185.04,2251.97) 233.28,2251.97 299.73,2318.42 299.73,2619.58 459.93,2779.78 595.52,2779.78 607.07,2791.34 v1(610.24,2791.34)
GaN_L1_Temp: J103.34
GaN_L2_FAULT: IC105.4 IC310.6 J103.66 R303.2 | length 3292.9
  Top Layer w8: v1(322.96,1629.92) 323.94,1628.94 369.09,1628.94 IC105.4@370.08,1627.95 ; v1(881.42,1086.61) 943.18,1086.61 IC310.6@945.24,1084.55 ; v1(964.57,3098.43) R303.2@992.13,3098.43
  Layer 2 w8: v1(322.96,1629.92) 322.96,1629.8 365.89,1586.87 365.89,1314.84 373.83,1306.9 539.25,1141.48 827.02,1141.48 881.42,1087.09 v1(881.42,1086.61) ; v1(685.66,2673.85) 709.9,2649.61 755.91,2649.61 771.21,2664.91 771.21,2831.26 787.4,2847.45 787.4,2921.26 v1(964.57,3098.43)
  Bottom Layer w8: J103.66@93.96,1669.11 283.64,1669.11 v1@322.83,1629.92 ; v1(322.96,1629.92) v1@322.83,1629.92 ; v1(685.66,2673.85) 665.04,2653.23 401.26,2653.23 347.73,2599.7 347.73,1654.82 v1@322.83,1629.92
GaN_L2_OT: IC105.2 IC310.4 J103.62 R307.2 | length 3502.4
  Top Layer w8: v1(322.96,1681.1) 323.94,1680.12 369.09,1680.12 IC105.2@370.08,1679.13 ; v1@875.94,1157.48 943.18,1157.48 IC310.4@945.24,1159.55 ; v1(962.9,3277.86) 990.46,3277.86 R307.2@992.13,3279.53
  Layer 2 w8: v1(322.96,1681.1) 322.96,1680.98 381.89,1622.05 381.89,1321.47 545.88,1157.48 v1(873.54,1157.48) ; v1(653.54,2675.07) 695.01,2633.61 763.42,2633.61 787.21,2657.4 787.21,2822.65 803.4,2838.83 803.4,2905.76 988.19,3090.55 988.19,3114.17 964.57,3137.8 964.57,3276.2 v1(962.9,3277.86)
  Bottom Layer w8: J103.62@93.96,1732.11 271.83,1732.11 v1@320.68,1683.26 ; v1(322.96,1681.1) 322.83,1681.1 v1@320.68,1683.26 ; v1(653.54,2675.07) v1@651.51,2673.04 ; v1@659.39,2673.04 v1@651.51,2673.04 ; v1@320.68,1683.26 320.68,1683.94 331.73,1695 331.73,2606.33 398.44,2673.04 v1@651.51,2673.04
GaN_L2_Temp: J103.58
GaN_L3_FAULT: IC109.4 IC410.6 J103.65 R404.2 | length 3916.1
  Top Layer w8: J103.65@93.96,1669.11 183.87,1669.11 295.28,1780.52 295.28,1848.42 330.71,1883.86 IC109.4@370.08,1883.86 372.97,1886.75 411.02,1886.75 414.16,1889.89 v1(417.32,1889.89) ; R404.2@736.22,3098.43 v1(763.78,3098.43) ; v1(915.8,248.03) 943.18,248.03 IC410.6@945.24,245.96
  Layer 2 w8: v1(417.32,1889.89) 418.1,1889.89 456.69,1851.3 456.69,1788.4 661.17,1583.92 661.17,1462.24 921.26,1202.14 921.26,1065.93 897.39,1042.06 897.39,268.89 915.8,250.48 v1(915.8,248.03) ; v1(748.03,2673.23) 748.03,2830.71 763.78,2846.46 v1(763.78,3098.43)
  Bottom Layer w8: v1(417.32,1889.89) 439.17,1911.73 439.17,1970.28 379.73,2029.72 379.73,2533.28 467.69,2621.23 696.03,2621.23 v1(748.03,2673.23)
GaN_L3_OT: IC109.2 IC410.4 J103.61 R407.2 | length 3988.6
  Top Layer w8: J103.61@93.96,1732.11 224.23,1732.11 279.28,1787.15 279.28,1879.67 334.65,1935.04 IC109.2@370.08,1935.04 v1@411.42,1935.04 ; R407.2@736.22,3271.65 v1(763.78,3271.65) ; IC410.4@929.5,320.96 v1@929.5,346.09
  Layer 2 w8: v1(417.32,1933.07) 472.69,1877.7 472.69,1795.02 677.17,1590.55 677.17,1468.86 937.26,1208.77 937.26,1059.31 913.39,1035.43 913.39,362.2 v1(929.13,346.46) ; v1(716.85,2673.54) 716.85,2674.07 732.03,2689.25 732.03,2837.34 747.78,2853.08 747.78,3080.77 741.94,3086.61 741.94,3112.02 763.78,3133.86 v1(763.78,3271.65)
  Bottom Layer w8: 408.28,1938.91 391.54,1955.65 391.54,1995.28 363.73,2023.09 363.73,2539.9 461.06,2637.23 680.54,2637.23 v1(716.85,2673.54) ; 408.32,1938.91 414.16,1933.07 v1(417.32,1933.07)
GaN_L3_Temp: J103.57